# Allegro board TubiiPCB_V6.brd (continued)
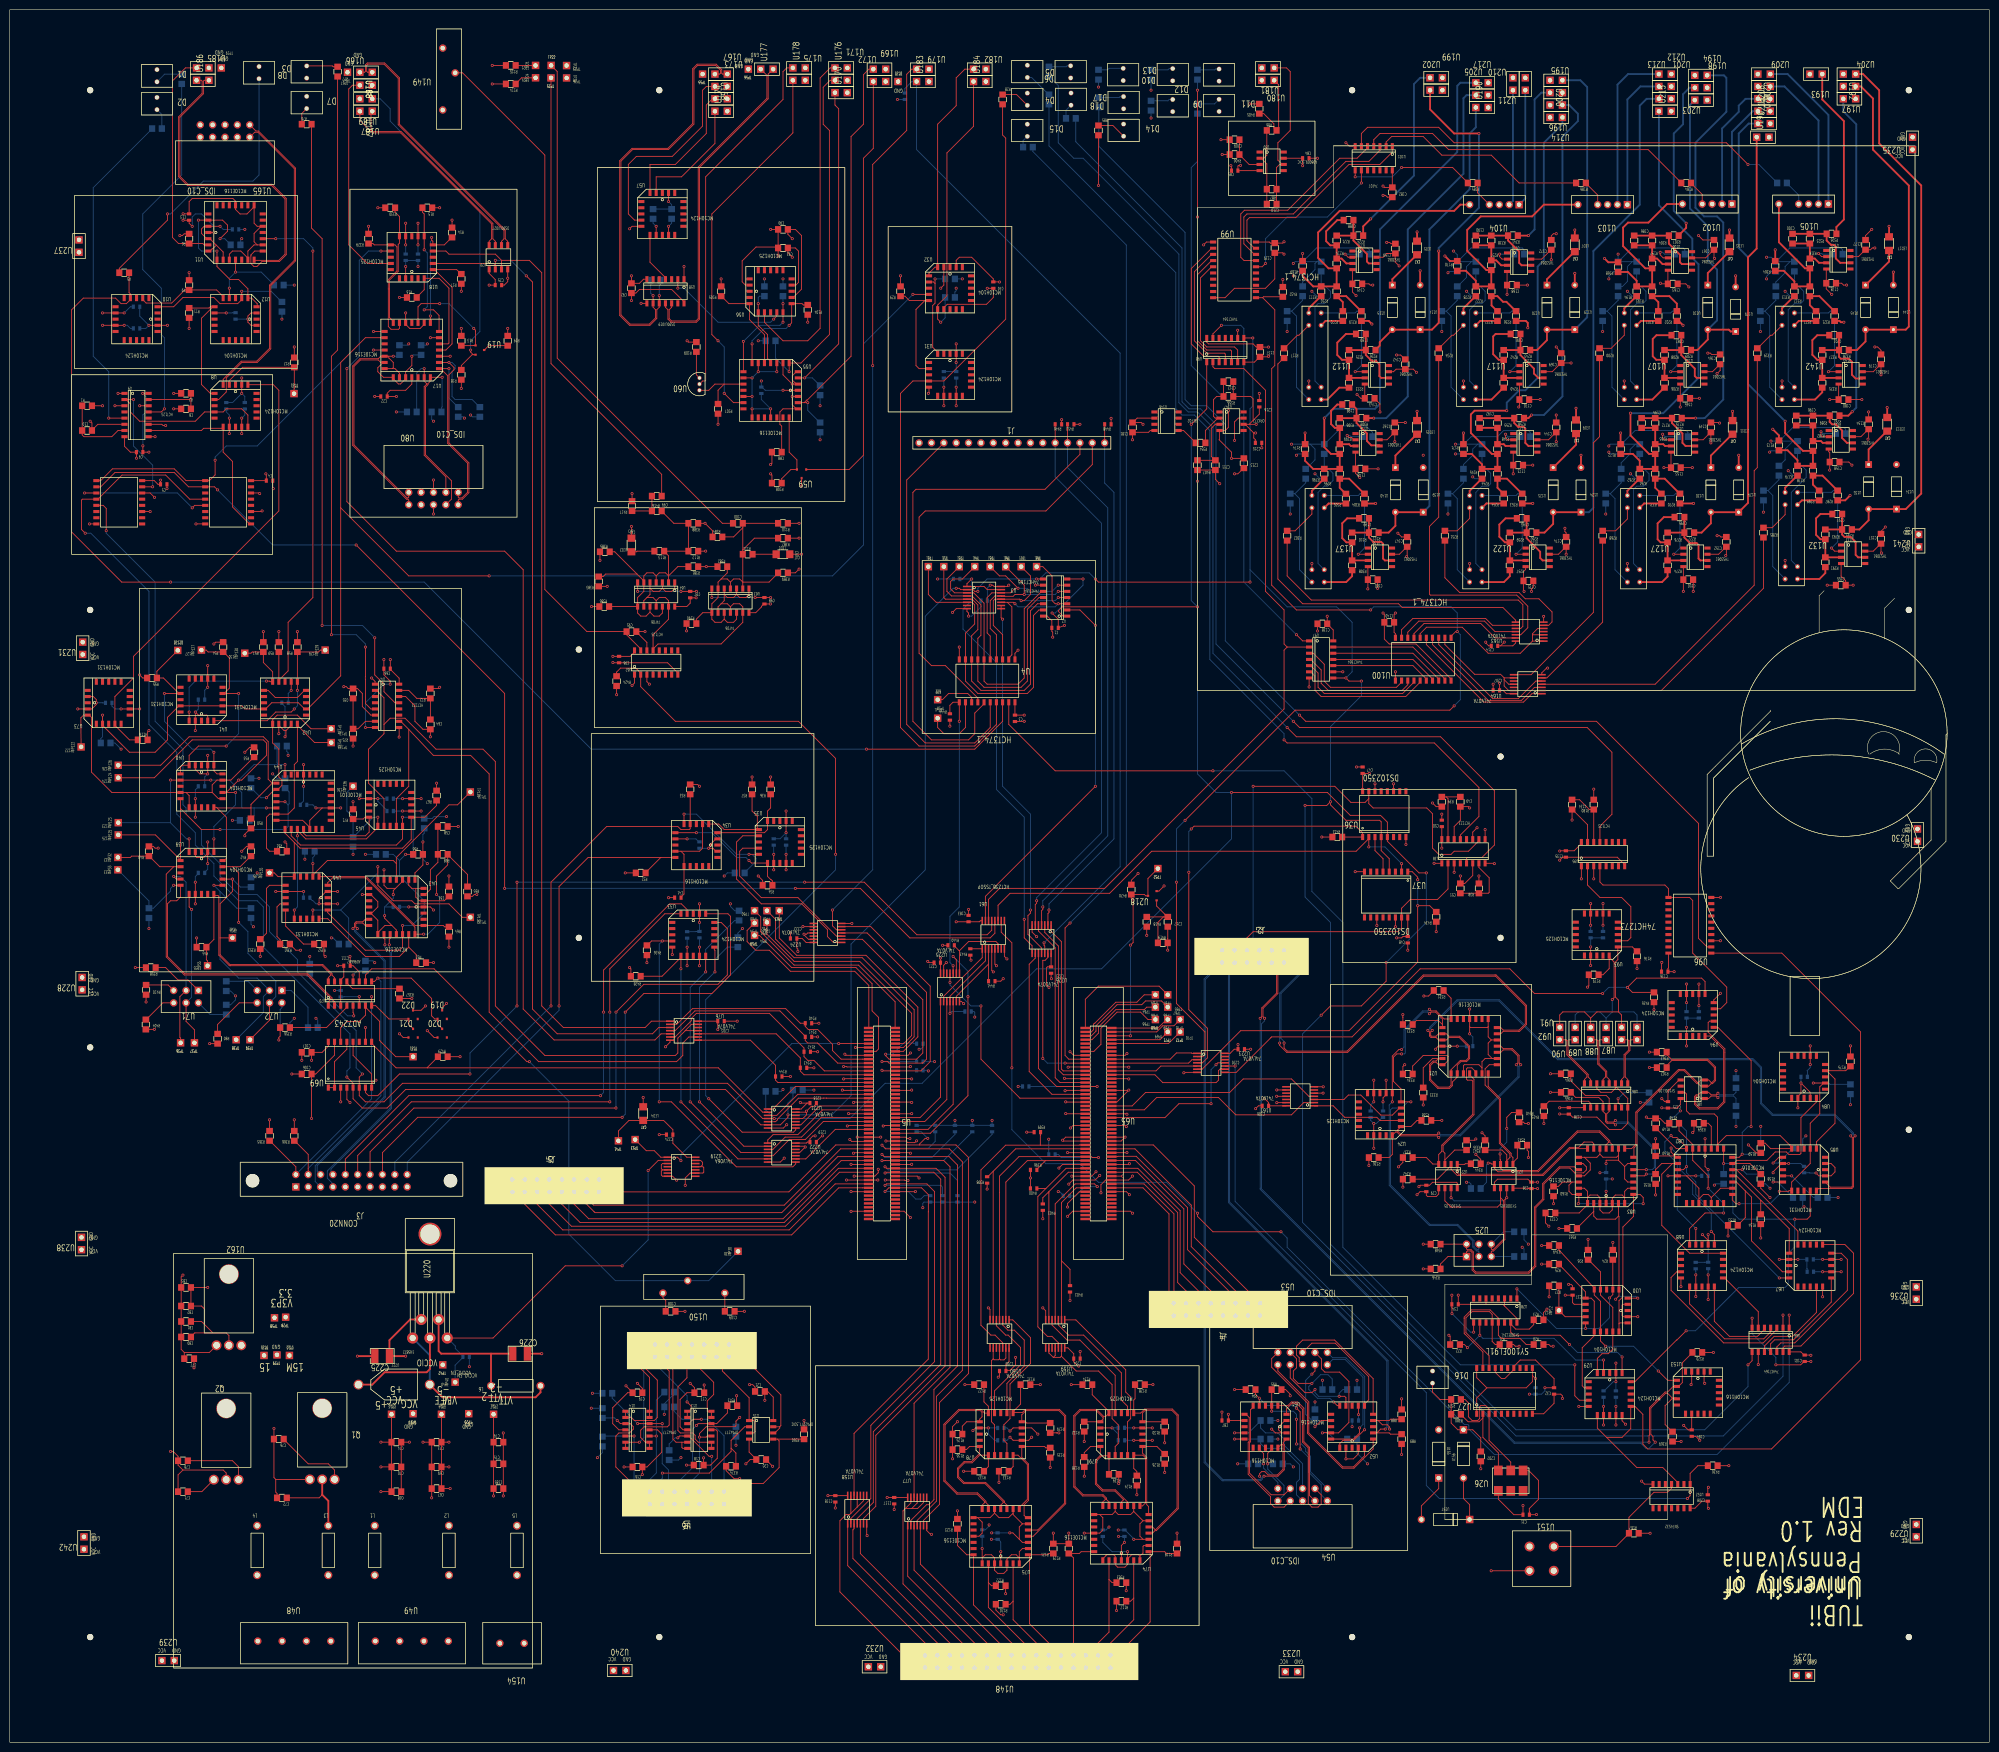
[diagram p0: board, top side]
## Routing (per net, layer and track width the routed paths; a pad name or vN(x,y) marks a point on that pad's centre or on a via; arc(x,y) is an arc through that point) (continued)
; v1(311.78,120.02) 312.18,119.62 ; v1(85.73,287.02) 86.12,287.41 ; v1(85.73,287.02) 86.12,286.63 ; v1(85.73,287.02) 85.33,286.63 ; v1(85.73,287.02) 85.33,287.41 ; v1(311.78,102.24) 312.18,101.84 ; v1(311.78,102.24) 312.18,102.63 ; v1(311.78,102.24) 311.39,101.84 ; v1(311.78,102.24) 311.39,102.63
  BOTTOM w0.178: v1(81.92,287.02) 81.65,286.75 R191.1 ; R92.1 276.59,59.32 v1(278.76,57.15) ; v1(361.39,113.71) 360.49,114.62 R158.1 ; v1(85.73,287.02) 85.46,286.75 R192.1 ; R63.1 v1(73.03,182.25) ; R347.1 310.88,103.14 v1(311.78,102.24) ; R56.1 21.59,205.11 v1(22.86,203.83) ; R99.1 v1(252.09,57.15) ; R148.2 340.71,127.95 341.07,128.32 341.71,128.32 v1(342.98,129.59) ; R73.2 v1(60.59,181.24) ; v1(269.51,74.3) R90.1 ; R93.1 v1(267.97,69.85) ; R60.1 v1(51.17,197.85) ; v1(66.04,165.1) 66.36,165.1 67.58,163.88 R74.2 ; R97.1 v1(260.35,66.04) ; v1(310.51,101.6) 310.88,101.23 R345.1 ; R339.1 299.99,114.57 299.62,114.94 v1(299.08,114.94) ; v1(349.96,114.35) 350.23,114.62 R157.2 ; R188.1 86.63,271.51 v1(87,271.14) ; R43.1 50.43,177.53 50.8,177.9 v1(50.8,178.44) ; v1(194.31,298.45) 194.31,297.93 194.04,297.66 R31.1 ; R187.1 v1(79.38,273.05) ; R30.1 v1(195.58,300.36) ; R190.1 94.98,272.05 v1(94.62,272.42) ; v1(263.52,56.51) 262.89,57.15 R98.1 ; v1(53.98,198.75) 54.88,197.85 R51.1 ; R189.1 93.08,272.05 v1(93.34,271.78) ; R7.1 47.36,308.34 v1(47.62,308.61) ; R177.2 v1(354.41,126.41) ; R101.1 v1(153.67,287.66) ; R8.1 v1(58.42,299.08) ; R100.1 v1(166.37,274.32) ; R46.1 v1(28.57,167) ; v1(50.04,167.39) 49.53,167.89 R44.1 ; R106.1 v1(158.75,300.36) ; R156.2 v1(359.49,126.41) ; R96.1 v1(260.35,62.23) ; R10.1 v1(55.88,292.1) ; v1(146.69,177.8) 147.32,178.44 R35.1 ; R69.1 84.82,181.24 v1(85.73,180.34) ; R166.1 v1(377.9,130.86) ; R178.2 v1(354.41,137.84) ; R70.1 v1(70.48,182.25) ; v1(57.15,202.56) 57.15,203.09 56.88,203.36 R49.1 ; R52.1 v1(45.72,189.23) ; R102.1 v1(166.37,267.33) ; v1(276.59,74.3) R91.1 ; R84.2 v1(223.52,339.73) ; R103.1 v1(154.94,300.36)
VTT_RAW: length 7.6
  VTT w0.178: 103.47,33.62 L5.1 ; L5.1 104.81,33.62 ; L5.1 103.47,34.96 ; L5.1 104.81,34.96 ; 104.95,19.65 U154.1 ; U154.1 106.3,20.99 ; U154.1 104.95,20.99 ; U154.1 106.3,19.65

## Copper pours and planes (outline as drawn; the poured copper is in the pictures)
GND on GND_TOP: 10.16,10.16 10.16,345.44 396.24,345.44 396.24,10.16 ; 16 cut-outs
GND on V15: 10.16,10.16 10.16,345.44 78.74,345.44 78.74,345.44 101.6,345.44 101.6,345.44 396.24,345.44 396.24,10.16 ; 16 cut-outs
GND on GND_BOT: 10.16,10.16 10.16,345.44 396.24,345.44 396.24,10.16 ; 16 cut-outs
GND on GND_BOT: 10.16,10.16 10.16,345.44 78.74,345.44 78.74,345.44 101.6,345.44 101.6,345.44 396.24,345.44 396.24,10.16 ; 1 cut-out
GND on GND_BOT: 10.16,10.16 10.16,345.44 396.24,345.44 396.24,10.16 ; 1 cut-out
V3P3 on VTT: 33.61,78.13 59.17,78.13 59.17,102.87 165.74,102.87 165.74,47 190.5,47 190.5,77.47 242.57,77.47 242.57,82.55 279.46,82.55 279.46,71.13 287.02,71.13 287.02,45.72 319.4,45.72 319.4,78.74 292.73,78.74 292.73,95.25 283.84,95.25 283.84,116.84 271.78,116.84 271.78,151.77 240.03,151.77 240.03,321.94 207.01,321.94 207.01,313.06 226.06,313.06 226.06,163.25 128.91,163.25 128.91,127.06 33.61,127.06
VCC on VCC: 10.16,15.24 10.16,345.44 78.74,345.44 78.74,347.98 83.82,353.06 96.52,353.06 101.6,347.98 101.6,345.44 396.24,345.44 396.24,15.24 396.24,15.24 396.24,10.16 10.16,10.16 10.16,15.24 ; 16 cut-outs
VCC15 on V15: 54.58,52.07 38.1,52.07 38.1,137.16 43.81,142.88 231.49,142.88 231.49,321.32 390.32,321.31 390.32,235.58 252.7,235.58 252.7,130.81 54.58,130.81 ; 16 cut-outs
VCC15M on V15: 55.25,52.07 55.25,130.18 253.36,130.18 253.36,228.6 249.55,228.6 249.55,266.06 255.27,266.06 255.91,265.43 255.91,234.95 271.78,234.95 271.78,300.36 281.94,300.36 281.94,283.52 277.1,283.52 277.1,277.68 281.94,277.68 281.94,269.65 275.19,269.65 275.19,263.81 281.94,263.81 281.94,246.13 277.76,246.13 277.76,240.28 281.94,240.28 281.94,234.95 304.16,234.95 304.16,300.36 313.78,300.36 313.78,283.54 308.9,283.54 308.9,277.69 313.78,277.69 313.78,269.61 307.62,269.61 307.62,263.77 313.78,263.77 313.78,246.15 310.16,246.15 310.16,240.31 313.78,240.31 313.78,234.95 336.34,234.95 336.34,300.36 347.01,300.36 347.01,283.67 341.92,283.67 341.92,277.83 347.01,277.83 347.01,269.61 339.91,269.61 339.91,263.77 347.01,263.77 347.01,246.13 342.56,246.13 342.56,240.28 347.01,240.28 347.01,234.95 368.99,234.95 368.99,300.99 379.75,300.99 379.75,283.62 374.27,283.62 374.27,277.77 379.75,277.77 379.75,270.31 372.4,270.31 372.4,264.46 379.75,264.46 379.75,246.74 374.86,246.74 374.86,240.9 379.75,240.9 379.75,234.95 379.73,234.93 379.73,212.73 272.31,212.73 265.43,205.85 265.43,107.95 70.48,107.95 70.48,52.07
VCC24 on VCC: 55.25,42.54 38.73,42.54 38.73,56.51 55.25,56.51
VCC24_RAW on VCC: 53.34,37.46 53.34,15.87 48.26,15.87 48.26,37.46
VCC24M_RAW on VCC: 62.87,37.46 62.87,15.87 67.95,15.87 67.95,37.46
VCC_RAW on VCC: 77.47,15.87 77.47,37.46 72.39,37.46 72.39,15.87
VCCIO on VEE: 97.16,76.2 69.85,76.2 69.22,76.84 69.22,109.22 168.28,109.22 168.28,147.32 168.91,147.96 231.78,147.96 231.78,98.43 97.16,98.43
VEE on VEE: 10.16,10.16 10.16,345.44 396.24,345.44 396.24,10.16 ; 16 cut-outs
VEE_RAW on VCC: 92.71,36.2 92.71,15.87 87.63,15.87 87.63,36.2
Net_149 on VCC: 69.85,40.64 69.85,57.15 58.42,57.15 58.42,40.64
UNNAMED_1_CAENBUFFER_I18_VREF5M on VTT: 254.64,313.69 254.64,237.49 396.24,237.49 396.24,313.69 ; 16 cut-outs
VTT on VTT: 10.16,10.16 10.16,345.44 396.24,345.44 396.24,10.16 ; 16 cut-outs
VTT_RAW on VTT: 109.22,15.87 109.22,36.2 102.23,36.2 102.23,15.87

## Text on the board
Ref Des/Silkscreen Top: GND | VCC | VCCIO_EN | VCCIO | 15 | 3.3 | V3P3 | 15M | +5 | -5 | VEE | -2 | VTT | University of | Pennsylvania | Rev 1.0 | TUBii | EDM
TOLERANCE_TOP: FIGURE | SIZE | 13.0 | 21.0 | 25.0 | 31.5 | 36.0 | 42.0 | 50.0 | 55.0 | 60.0 | 150.0 | 155.0 | 33.0 | 48.0 | 109.0 | 156.0 | 250.0 | DRILL CHART: TOP to BOTTOM | ALL UNITS ARE IN MILS | PLATED | NON-PLATED | QTY | 1331 | 64 | 35 | 36 | 464 | 12 | 5 | 4 | 9 | 2 | 3 | 1
